# EAGLE board working (EAGLE 6.6.0), part 2 of 2
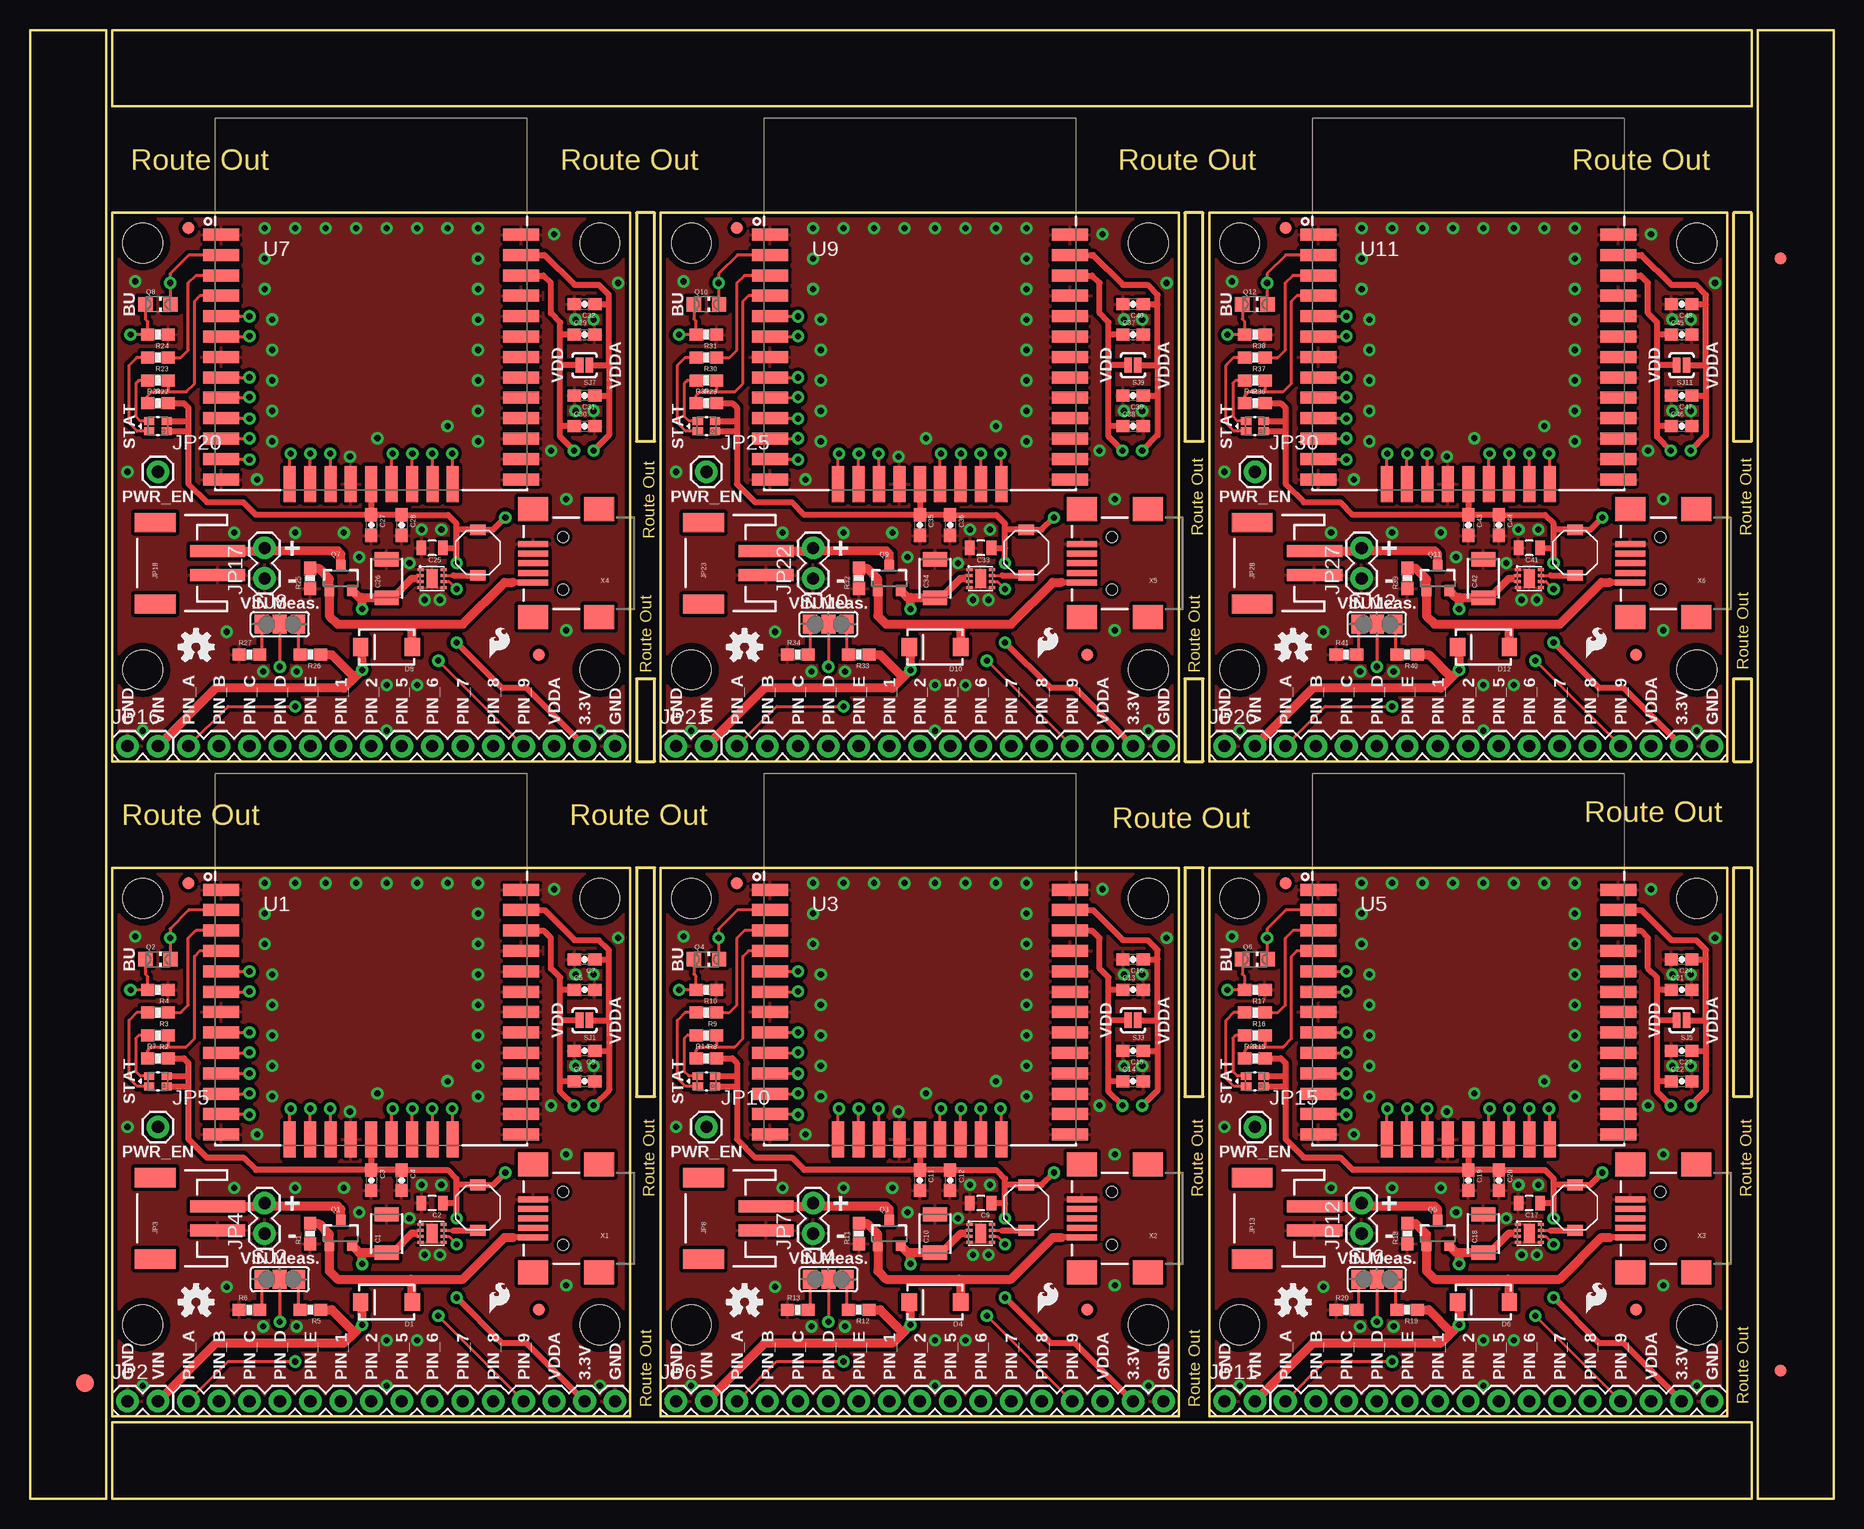
[diagram p0: board, top side]
## Tracks (layer width: path | path; a pad name or v marks a point on that pad's centre or on a via)
3.3V  (via drill 0.51)
  Top 0.254: U2.6 34.92,21.85 v35.56,21.21
  Top 0.508: 35.56,26.16 L1.P$2 38.6,26.16 v39.62,27.18 | 35.56,26.16 35.56,26.67 34.84,27.39 C4.1 C3.1 | 35.56,24.61 35.56,26.16 | v35.56,23.37 35.56,24.61 | JP1.2 41.4,12.95 39.37,12.95 v35.56,16.76 | U1.33 42.81,47.36 43.43,46.74 43.43,44.2 44.2,43.43 44.2,42.42 | 44.2,34.8 44.2,33.91 v45.34,32.77 | 44.2,34.8 44.2,39.88 | C6.1 44.2,34.8 | SJ1.2 44.2,39.88 | 13.21,35.31 13.21,36.32 12.83,36.7 R7.2 | 13.21,35.31 13.21,34.42 | 13.21,34.42 13.21,29.97 14.73,28.45 17.78,28.45 18.84,27.39 C3.1 | C2.1 35.53,24.64 35.56,24.61 | U1.18 C3.1 | D2.P$1 13.16,34.37 13.21,34.42 | D2.P$2 13.12,35.22 13.21,35.31 | 44.2,39.88 44.2,42.42 | C5.1 44.2,42.42
  Bottom 0.508: v35.56,23.37 v35.56,21.21 v35.56,16.76 | v39.62,27.18 45.21,32.77 v45.34,32.77
3.3V1  (via drill 0.51)
  Top 0.254: U4.6 80.64,21.85 v81.28,21.21
  Top 0.508: 81.28,26.16 L2.P$2 84.32,26.16 v85.34,27.18 | 81.28,26.16 81.28,26.67 80.56,27.39 C12.1 C11.1 | 81.28,24.61 81.28,26.16 | v81.28,23.37 81.28,24.61 | JP9.2 87.12,12.95 85.09,12.95 v81.28,16.76 | U3.33 88.53,47.36 89.15,46.74 89.15,44.2 89.92,43.43 89.92,42.42 | 89.92,34.8 89.92,33.91 v91.06,32.77 | 89.92,34.8 89.92,39.88 | C14.1 89.92,34.8 | SJ3.2 89.92,39.88 | 58.93,35.31 58.93,36.32 58.55,36.7 R14.2 | 58.93,35.31 58.93,34.42 | 58.93,34.42 58.93,29.97 60.45,28.45 63.5,28.45 64.56,27.39 C11.1 | C9.1 81.25,24.64 81.28,24.61 | U3.18 C11.1 | D3.P$1 58.88,34.37 58.93,34.42 | D3.P$2 58.84,35.22 58.93,35.31 | 89.92,39.88 89.92,42.42 | C13.1 89.92,42.42
  Bottom 0.508: v81.28,23.37 v81.28,21.21 v81.28,16.76 | v85.34,27.18 90.93,32.77 v91.06,32.77
3.3V2  (via drill 0.51)
  Top 0.254: U6.6 126.36,21.85 v127,21.21
  Top 0.508: 127,26.16 L3.P$2 130.04,26.16 v131.06,27.18 | 127,26.16 127,26.67 126.28,27.39 C20.1 C19.1 | 127,24.61 127,26.16 | v127,23.37 127,24.61 | JP14.2 132.84,12.95 130.81,12.95 v127,16.76 | U5.33 134.25,47.36 134.87,46.74 134.87,44.2 135.64,43.43 135.64,42.42 | 135.64,34.8 135.64,33.91 v136.78,32.77 | 135.64,34.8 135.64,39.88 | C22.1 135.64,34.8 | SJ5.2 135.64,39.88 | 104.65,35.31 104.65,36.32 104.27,36.7 R21.2 | 104.65,35.31 104.65,34.42 | 104.65,34.42 104.65,29.97 106.17,28.45 109.22,28.45 110.28,27.39 C19.1 | C17.1 126.97,24.64 127,24.61 | U5.18 C19.1 | D5.P$1 104.6,34.37 104.65,34.42 | D5.P$2 104.56,35.22 104.65,35.31 | 135.64,39.88 135.64,42.42 | C21.1 135.64,42.42
  Bottom 0.508: v127,23.37 v127,21.21 v127,16.76 | v131.06,27.18 136.65,32.77 v136.78,32.77
3.3V3  (via drill 0.51)
  Top 0.254: U8.6 34.92,76.46 v35.56,75.82
  Top 0.508: 35.56,80.77 L4.P$2 38.6,80.77 v39.62,81.79 | 35.56,80.77 35.56,81.28 34.84,82 C28.1 C27.1 | 35.56,79.22 35.56,80.77 | v35.56,77.98 35.56,79.22 | JP19.2 41.4,67.56 39.37,67.56 v35.56,71.37 | U7.33 42.81,101.97 43.43,101.35 43.43,98.81 44.2,98.04 44.2,97.03 | 44.2,89.41 44.2,88.52 v45.34,87.38 | 44.2,89.41 44.2,94.49 | C30.1 44.2,89.41 | SJ7.2 44.2,94.49 | 13.21,89.92 13.21,90.93 12.83,91.31 R28.2 | 13.21,89.92 13.21,89.03 | 13.21,89.03 13.21,84.58 14.73,83.06 17.78,83.06 18.84,82 C27.1 | C25.1 35.53,79.25 35.56,79.22 | U7.18 C27.1 | D7.P$1 13.16,88.98 13.21,89.03 | D7.P$2 13.12,89.83 13.21,89.92 | 44.2,94.49 44.2,97.03 | C29.1 44.2,97.03
  Bottom 0.508: v35.56,77.98 v35.56,75.82 v35.56,71.37 | v39.62,81.79 45.21,87.38 v45.34,87.38
3.3V4  (via drill 0.51)
  Top 0.254: U10.6 80.64,76.46 v81.28,75.82
  Top 0.508: 81.28,80.77 L5.P$2 84.32,80.77 v85.34,81.79 | 81.28,80.77 81.28,81.28 80.56,82 C36.1 C35.1 | 81.28,79.22 81.28,80.77 | v81.28,77.98 81.28,79.22 | JP24.2 87.12,67.56 85.09,67.56 v81.28,71.37 | U9.33 88.53,101.97 89.15,101.35 89.15,98.81 89.92,98.04 89.92,97.03 | 89.92,89.41 89.92,88.52 v91.06,87.38 | 89.92,89.41 89.92,94.49 | C38.1 89.92,89.41 | SJ9.2 89.92,94.49 | 58.93,89.92 58.93,90.93 58.55,91.31 R35.2 | 58.93,89.92 58.93,89.03 | 58.93,89.03 58.93,84.58 60.45,83.06 63.5,83.06 64.56,82 C35.1 | C33.1 81.25,79.25 81.28,79.22 | U9.18 C35.1 | D9.P$1 58.88,88.98 58.93,89.03 | D9.P$2 58.84,89.83 58.93,89.92 | 89.92,94.49 89.92,97.03 | C37.1 89.92,97.03
  Bottom 0.508: v81.28,77.98 v81.28,75.82 v81.28,71.37 | v85.34,81.79 90.93,87.38 v91.06,87.38
3.3V5  (via drill 0.51)
  Top 0.254: U12.6 126.36,76.46 v127,75.82
  Top 0.508: 127,80.77 L6.P$2 130.04,80.77 v131.06,81.79 | 127,80.77 127,81.28 126.28,82 C44.1 C43.1 | 127,79.22 127,80.77 | v127,77.98 127,79.22 | JP29.2 132.84,67.56 130.81,67.56 v127,71.37 | U11.33 134.25,101.97 134.87,101.35 134.87,98.81 135.64,98.04 135.64,97.03 | 135.64,89.41 135.64,88.52 v136.78,87.38 | 135.64,89.41 135.64,94.49 | C46.1 135.64,89.41 | SJ11.2 135.64,94.49 | 104.65,89.92 104.65,90.93 104.27,91.31 R42.2 | 104.65,89.92 104.65,89.03 | 104.65,89.03 104.65,84.58 106.17,83.06 109.22,83.06 110.28,82 C43.1 | C41.1 126.97,79.25 127,79.22 | U11.18 C43.1 | D11.P$1 104.6,88.98 104.65,89.03 | D11.P$2 104.56,89.83 104.65,89.92 | 135.64,94.49 135.64,97.03 | C45.1 135.64,97.03
  Bottom 0.508: v127,77.98 v127,75.82 v127,71.37 | v131.06,81.79 136.65,87.38 v136.78,87.38
GND  (via drill 0.51)
  other vias: 45.47,43.69 46.99,43.69 45.47,36.07 46.99,36.07 19.56,51.31 22.1,51.31 24.64,51.31 27.18,51.31 29.72,51.31 32.26,51.31 34.8,51.31 37.34,51.31 19.56,48.77 19.56,46.23 37.34,48.77 37.34,46.23 20.19,43.69 20.19,41.15 20.19,38.61 20.19,36.07 37.34,43.69 37.34,41.15 37.34,38.61 37.34,36.07 37.34,33.53 34.8,34.8 28.96,33.78 20.19,33.53 18.92,30.35 8.76,46.86 22.1,25.91 17.02,25.91 16.38,17.65 29.72,9.4 29.72,13.21 32.26,13.21 22.23,14.35 19.43,14.35 31.62,23.37 34.16,20.32 32.89,20.32 26.67,32.26 27.43,23.88 47.5,9.4 44.7,17.78 44.7,28.7 43.43,32.77 43.69,50.8 49.02,46.74 9.4,9.4 34.29,26.16 32.64,26.16 26.16,25.91 8.13,30.99
  pour Top (isolate 0.305): 6.86,52.58 50.04,52.58 50.04,6.86 6.86,6.86
  pour Bottom (isolate 0.305): 6.86,52.58 50.04,52.58 50.04,6.86 6.86,6.86
GND1  (via drill 0.51)
  other vias: 91.19,43.69 92.71,43.69 91.19,36.07 92.71,36.07 65.28,51.31 67.82,51.31 70.36,51.31 72.9,51.31 75.44,51.31 77.98,51.31 80.52,51.31 83.06,51.31 65.28,48.77 65.28,46.23 83.06,48.77 83.06,46.23 65.91,43.69 65.91,41.15 65.91,38.61 65.91,36.07 83.06,43.69 83.06,41.15 83.06,38.61 83.06,36.07 83.06,33.53 80.52,34.8 74.68,33.78 65.91,33.53 64.64,30.35 54.48,46.86 67.82,25.91 62.74,25.91 62.1,17.65 75.44,9.4 75.44,13.21 77.98,13.21 67.94,14.35 65.15,14.35 77.34,23.37 79.88,20.32 78.61,20.32 72.39,32.26 73.15,23.88 93.22,9.4 90.42,17.78 90.42,28.7 89.15,32.77 89.41,50.8 94.74,46.74 55.12,9.4 80.01,26.16 78.36,26.16 71.88,25.91 53.85,30.99
  pour Top (isolate 0.305): 52.58,52.58 95.76,52.58 95.76,6.86 52.58,6.86
  pour Bottom (isolate 0.305): 52.58,52.58 95.76,52.58 95.76,6.86 52.58,6.86
GND2  (via drill 0.51)
  other vias: 136.91,43.69 138.43,43.69 136.91,36.07 138.43,36.07 111,51.31 113.54,51.31 116.08,51.31 118.62,51.31 121.16,51.31 123.7,51.31 126.24,51.31 128.78,51.31 111,48.77 111,46.23 128.78,48.77 128.78,46.23 111.63,43.69 111.63,41.15 111.63,38.61 111.63,36.07 128.78,43.69 128.78,41.15 128.78,38.61 128.78,36.07 128.78,33.53 126.24,34.8 120.4,33.78 111.63,33.53 110.36,30.35 100.2,46.86 113.54,25.91 108.46,25.91 107.82,17.65 121.16,9.4 121.16,13.21 123.7,13.21 113.67,14.35 110.87,14.35 123.06,23.37 125.6,20.32 124.33,20.32 118.11,32.26 118.87,23.88 138.94,9.4 136.14,17.78 136.14,28.7 134.87,32.77 135.13,50.8 140.46,46.74 100.84,9.4 125.73,26.16 124.08,26.16 117.6,25.91 99.57,30.99
  pour Top (isolate 0.305): 98.3,52.58 141.48,52.58 141.48,6.86 98.3,6.86
  pour Bottom (isolate 0.305): 98.3,52.58 141.48,52.58 141.48,6.86 98.3,6.86
GND3  (via drill 0.51)
  other vias: 45.47,98.3 46.99,98.3 45.47,90.68 46.99,90.68 19.56,105.92 22.1,105.92 24.64,105.92 27.18,105.92 29.72,105.92 32.26,105.92 34.8,105.92 37.34,105.92 19.56,103.38 19.56,100.84 37.34,103.38 37.34,100.84 20.19,98.3 20.19,95.76 20.19,93.22 20.19,90.68 37.34,98.3 37.34,95.76 37.34,93.22 37.34,90.68 37.34,88.14 34.8,89.41 28.96,88.39 20.19,88.14 18.92,84.96 8.76,101.47 22.1,80.52 17.02,80.52 16.38,72.26 29.72,64.01 29.72,67.82 32.26,67.82 22.23,68.96 19.43,68.96 31.62,77.98 34.16,74.93 32.89,74.93 26.67,86.87 27.43,78.49 47.5,64.01 44.7,72.39 44.7,83.31 43.43,87.38 43.69,105.41 49.02,101.35 9.4,64.01 34.29,80.77 32.64,80.77 26.16,80.52 8.13,85.6
  pour Top (isolate 0.305): 6.86,107.19 50.04,107.19 50.04,61.47 6.86,61.47
  pour Bottom (isolate 0.305): 6.86,107.19 50.04,107.19 50.04,61.47 6.86,61.47
GND4  (via drill 0.51)
  other vias: 91.19,98.3 92.71,98.3 91.19,90.68 92.71,90.68 65.28,105.92 67.82,105.92 70.36,105.92 72.9,105.92 75.44,105.92 77.98,105.92 80.52,105.92 83.06,105.92 65.28,103.38 65.28,100.84 83.06,103.38 83.06,100.84 65.91,98.3 65.91,95.76 65.91,93.22 65.91,90.68 83.06,98.3 83.06,95.76 83.06,93.22 83.06,90.68 83.06,88.14 80.52,89.41 74.68,88.39 65.91,88.14 64.64,84.96 54.48,101.47 67.82,80.52 62.74,80.52 62.1,72.26 75.44,64.01 75.44,67.82 77.98,67.82 67.94,68.96 65.15,68.96 77.34,77.98 79.88,74.93 78.61,74.93 72.39,86.87 73.15,78.49 93.22,64.01 90.42,72.39 90.42,83.31 89.15,87.38 89.41,105.41 94.74,101.35 55.12,64.01 80.01,80.77 78.36,80.77 71.88,80.52 53.85,85.6
  pour Top (isolate 0.305): 52.58,107.19 95.76,107.19 95.76,61.47 52.58,61.47
  pour Bottom (isolate 0.305): 52.58,107.19 95.76,107.19 95.76,61.47 52.58,61.47
GND5  (via drill 0.51)
  other vias: 136.91,98.3 138.43,98.3 136.91,90.68 138.43,90.68 111,105.92 113.54,105.92 116.08,105.92 118.62,105.92 121.16,105.92 123.7,105.92 126.24,105.92 128.78,105.92 111,103.38 111,100.84 128.78,103.38 128.78,100.84 111.63,98.3 111.63,95.76 111.63,93.22 111.63,90.68 128.78,98.3 128.78,95.76 128.78,93.22 128.78,90.68 128.78,88.14 126.24,89.41 120.4,88.39 111.63,88.14 110.36,84.96 100.2,101.47 113.54,80.52 108.46,80.52 107.82,72.26 121.16,64.01 121.16,67.82 123.7,67.82 113.67,68.96 110.87,68.96 123.06,77.98 125.6,74.93 124.33,74.93 118.11,86.87 118.87,78.49 138.94,64.01 136.14,72.39 136.14,83.31 134.87,87.38 135.13,105.41 140.46,101.35 100.84,64.01 125.73,80.77 124.08,80.77 117.6,80.52 99.57,85.6
  pour Top (isolate 0.305): 98.3,107.19 141.48,107.19 141.48,61.47 98.3,61.47
  pour Bottom (isolate 0.305): 98.3,107.19 141.48,107.19 141.48,61.47 98.3,61.47
LED_G
  Top 0.254: U1.3 13.83,47.36 13.21,46.74 13.21,41.15 12.57,40.51 R3.1
LED_G1
  Top 0.254: U3.3 59.55,47.36 58.93,46.74 58.93,41.15 58.29,40.51 R9.1
LED_G2
  Top 0.254: U5.3 105.27,47.36 104.65,46.74 104.65,41.15 104.01,40.51 R16.1
LED_G3
  Top 0.254: U7.3 13.83,101.97 13.21,101.35 13.21,95.76 12.57,95.12 R23.1
LED_G4
  Top 0.254: U9.3 59.55,101.97 58.93,101.35 58.93,95.76 58.29,95.12 R30.1
LED_G5
  Top 0.254: U11.3 105.27,101.97 104.65,101.35 104.65,95.76 104.01,95.12 R37.1
LED_R
  Top 0.254: U1.4 14.16,45.66 13.72,45.21 13.72,38.35 13.03,37.67 11.51,37.67 | R7.1 9.82,37.35 10.13,37.67 11.51,37.67 | R2.1 11.52,37.68 11.51,37.67
LED_R1
  Top 0.254: U3.4 59.88,45.66 59.44,45.21 59.44,38.35 58.75,37.67 57.23,37.67 | R14.1 55.54,37.35 55.85,37.67 57.23,37.67 | R8.1 57.24,37.68 57.23,37.67
LED_R2
  Top 0.254: U5.4 105.6,45.66 105.16,45.21 105.16,38.35 104.47,37.67 102.95,37.67 | R21.1 101.26,37.35 101.58,37.67 102.95,37.67 | R15.1 102.96,37.68 102.95,37.67
LED_R3
  Top 0.254: U7.4 14.16,100.27 13.72,99.82 13.72,92.96 13.03,92.28 11.51,92.28 | R28.1 9.82,91.96 10.13,92.28 11.51,92.28 | R22.1 11.52,92.29 11.51,92.28
LED_R4
  Top 0.254: U9.4 59.88,100.27 59.44,99.82 59.44,92.96 58.75,92.28 57.23,92.28 | R35.1 55.54,91.96 55.85,92.28 57.23,92.28 | R29.1 57.24,92.29 57.23,92.28
LED_R5
  Top 0.254: U11.4 105.6,100.27 105.16,99.82 105.16,92.96 104.47,92.28 102.95,92.28 | R42.1 101.26,91.96 101.58,92.28 102.95,92.28 | R36.1 102.96,92.29 102.95,92.28
N$1
  Top 0.254: U2.7 35.31,22.35
  Top 0.508: 35.31,22.35 L1.P$1
N$2
  Top 0.483: X1.VBUS 40.23,21.77
  Top 0.508: 40.23,21.77
  Top 0.762: 31.75,18.29 25.65,18.29 24.96,18.98 Q1.1 24.96,22.03 24.04,22.95 R1.2 | 31.75,18.29 36.07,18.29 39.55,21.77 40.23,21.77 | D1.A 31.87,18.17 31.75,18.29
N$3
  Top 0.254: U4.7 81.03,22.35
  Top 0.508: 81.03,22.35 L2.P$1
N$4
  Top 0.254: D2.P$4 9.2,35.22 8.81,35.61 8.81,38.38 9.04,38.61 R2.2
N$5
  Top 0.254: R3.2 8.89,40.51 8.26,39.88 8.26,35.05 8.93,34.37 D2.P$3
N$6
  Top 0.254: SJ2.3 22.35,15.91 R5.2
N$7
  Top 0.254: SJ2.1 19.3,15.91 R6.2
N$8
  Top 0.254: D3.P$4 54.92,35.22 54.53,35.61 54.53,38.38 54.76,38.61 R8.2
N$9
  Top 0.254: R9.2 54.61,40.51 53.98,39.88 53.98,35.05 54.65,34.37 D3.P$3
N$10
  Top 0.483: X2.VBUS 85.95,21.77
  Top 0.508: 85.95,21.77
  Top 0.762: 77.47,18.29 71.37,18.29 70.68,18.98 Q3.1 70.68,22.03 69.76,22.95 R11.2 | 77.47,18.29 81.79,18.29 85.27,21.77 85.95,21.77 | D4.A 77.59,18.17 77.47,18.29
N$11
  Top 0.254: SJ4.3 68.07,15.91 R12.2
N$12
  Top 0.254: SJ4.1 65.02,15.91 R13.2
N$13
  Top 0.254: U6.7 126.75,22.35
  Top 0.508: 126.75,22.35 L3.P$1
N$14
  Top 0.254: D5.P$4 100.64,35.22 100.25,35.61 100.25,38.38 100.48,38.61 R15.2
N$15
  Top 0.254: R16.2 100.33,40.51 99.69,39.88 99.69,35.05 100.37,34.37 D5.P$3
N$16
  Top 0.483: X3.VBUS 131.67,21.77
  Top 0.508: 131.67,21.77
  Top 0.762: 123.19,18.29 117.09,18.29 116.4,18.98 Q5.1 116.4,22.03 115.48,22.95 R18.2 | 123.19,18.29 127.51,18.29 130.99,21.77 131.67,21.77 | D6.A 123.31,18.17 123.19,18.29
N$17
  Top 0.254: SJ6.3 113.79,15.91 R19.2
N$18
  Top 0.254: SJ6.1 110.74,15.91 R20.2
N$19
  Top 0.254: U8.7 35.31,76.96
  Top 0.508: 35.31,76.96 L4.P$1
N$20
  Top 0.254: D7.P$4 9.2,89.83 8.81,90.22 8.81,92.99 9.04,93.22 R22.2
N$21
  Top 0.254: R23.2 8.89,95.12 8.26,94.49 8.26,89.66 8.93,88.98 D7.P$3
N$22
  Top 0.483: X4.VBUS 40.23,76.38
  Top 0.508: 40.23,76.38
  Top 0.762: 31.75,72.9 25.65,72.9 24.96,73.59 Q7.1 24.96,76.64 24.04,77.56 R25.2 | 31.75,72.9 36.07,72.9 39.55,76.38 40.23,76.38 | D8.A 31.87,72.78 31.75,72.9
N$23
  Top 0.254: SJ8.3 22.35,70.52 R26.2
N$24
  Top 0.254: SJ8.1 19.3,70.52 R27.2
N$25
  Top 0.254: U10.7 81.03,76.96
  Top 0.508: 81.03,76.96 L5.P$1
N$26
  Top 0.254: D9.P$4 54.92,89.83 54.53,90.22 54.53,92.99 54.76,93.22 R29.2
N$27
  Top 0.254: R30.2 54.61,95.12 53.98,94.49 53.98,89.66 54.65,88.98 D9.P$3
N$28
  Top 0.483: X5.VBUS 85.95,76.38
  Top 0.508: 85.95,76.38
  Top 0.762: 77.47,72.9 71.37,72.9 70.68,73.59 Q9.1 70.68,76.64 69.76,77.56 R32.2 | 77.47,72.9 81.79,72.9 85.27,76.38 85.95,76.38 | D10.A 77.59,72.78 77.47,72.9
N$29
  Top 0.254: SJ10.3 68.07,70.52 R33.2
N$30
  Top 0.254: SJ10.1 65.02,70.52 R34.2
N$31
  Top 0.254: U12.7 126.75,76.96
  Top 0.508: 126.75,76.96 L6.P$1
N$32
  Top 0.254: D11.P$4 100.64,89.83 100.25,90.22 100.25,92.99 100.48,93.22 R36.2
N$33
  Top 0.254: R37.2 100.33,95.12 99.69,94.49 99.69,89.66 100.37,88.98 D11.P$3
N$34
  Top 0.483: X6.VBUS 131.67,76.38
  Top 0.508: 131.67,76.38
  Top 0.762: 123.19,72.9 117.09,72.9 116.4,73.59 Q11.1 116.4,76.64 115.48,77.56 R39.2 | 123.19,72.9 127.51,72.9 130.99,76.38 131.67,76.38 | D12.A 123.31,72.78 123.19,72.9
N$35
  Top 0.254: SJ12.3 113.79,70.52 R40.2
N$36
  Top 0.254: SJ12.1 110.74,70.52 R41.2
OPTO_BIAS  (via drill 0.51)
  Top 0.254: U1.2 13.24,49.06 11.68,47.5 v11.68,46.74 11.68,44.99 Q2.C
  Bottom 0.254: TP1.P$1 11.68,45.97 v11.68,46.74
OPTO_BIAS1  (via drill 0.51)
  Top 0.254: U3.2 58.96,49.06 57.4,47.5 v57.4,46.74 57.4,44.99 Q4.C
  Bottom 0.254: TP3.P$1 57.4,45.97 v57.4,46.74
OPTO_BIAS2  (via drill 0.51)
  Top 0.254: U5.2 104.68,49.06 103.12,47.5 v103.12,46.74 103.12,44.99 Q6.C
  Bottom 0.254: TP5.P$1 103.12,45.97 v103.12,46.74
OPTO_BIAS3  (via drill 0.51)
  Top 0.254: U7.2 13.24,103.67 11.68,102.11 v11.68,101.35 11.68,99.6 Q8.C
  Bottom 0.254: TP7.P$1 11.68,100.58 v11.68,101.35
OPTO_BIAS4  (via drill 0.51)
  Top 0.254: U9.2 58.96,103.67 57.4,102.11 v57.4,101.35 57.4,99.6 Q10.C
  Bottom 0.254: TP9.P$1 57.4,100.58 v57.4,101.35
OPTO_BIAS5  (via drill 0.51)
  Top 0.254: U11.2 104.68,103.67 103.12,102.11 v103.12,101.35 103.12,99.6 Q12.C
  Bottom 0.254: TP11.P$1 103.12,100.58 v103.12,101.35
OPTO_IN  (via drill 0.51)
  Top 0.254: Q2.E 9.62,43.72 9.82,43.52 R4.2 v8.38,42.42 | U1.6 18.25,42.26 v18.29,42.29
  Bottom 0.254: v8.38,42.42 TP2.P$1 17.02,42.42 17.14,42.29 v18.29,42.29
OPTO_IN1  (via drill 0.51)
  Top 0.254: Q4.E 55.34,43.72 55.54,43.52 R10.2 v54.1,42.42 | U3.6 63.98,42.26 v64.01,42.29
  Bottom 0.254: v54.1,42.42 TP4.P$1 62.74,42.42 62.87,42.29 v64.01,42.29
OPTO_IN2  (via drill 0.51)
  Top 0.254: Q6.E 101.06,43.72 101.26,43.52 R17.2 v99.82,42.42 | U5.6 109.69,42.26 v109.73,42.29
  Bottom 0.254: v99.82,42.42 TP6.P$1 108.46,42.42 108.58,42.29 v109.73,42.29
OPTO_IN3  (via drill 0.51)
  Top 0.254: Q8.E 9.62,98.33 9.82,98.13 R24.2 v8.38,97.03 | U7.6 18.25,96.87 v18.29,96.9
  Bottom 0.254: v8.38,97.03 TP8.P$1 17.02,97.03 17.14,96.9 v18.29,96.9
OPTO_IN4  (via drill 0.51)
  Top 0.254: Q10.E 55.34,98.33 55.54,98.13 R31.2 v54.1,97.03 | U9.6 63.98,96.87 v64.01,96.9
  Bottom 0.254: v54.1,97.03 TP10.P$1 62.74,97.03 62.87,96.9 v64.01,96.9
OPTO_IN5  (via drill 0.51)
  Top 0.254: Q12.E 101.06,98.33 101.26,98.13 R38.2 v99.82,97.03 | U11.6 109.69,96.87 v109.73,96.9
  Bottom 0.254: v99.82,97.03 TP12.P$1 108.46,97.03 108.58,96.9 v109.73,96.9
PIN_1  (via drill 0.51)
  Top 0.254: U1.15 23.35,32.49 v23.37,32.51
  Bottom 0.254: JP1.10 23.37,10.67 v23.37,32.51
PIN_2  (via drill 0.51)
  Top 0.254: U1.16 25.05,32.48 v25.02,32.51
  Bottom 0.254: JP1.9 25.02,11.56 v25.02,32.51
PIN_3  (via drill 0.51)
  Top 0.254: U3.15 69.07,32.49 v69.09,32.51
  Bottom 0.254: JP9.10 69.09,10.67 v69.09,32.51
PIN_4  (via drill 0.51)
  Top 0.254: U3.16 70.77,32.48 v70.74,32.51
  Bottom 0.254: JP9.9 70.74,11.56 v70.74,32.51
PIN_5  (via drill 0.51)
  Top 0.254: U1.19 30.15,32.43 v30.23,32.51
  Bottom 0.254: JP1.8 37.08,14.22 37.08,25.65 v30.23,32.51
PIN_6  (via drill 0.51)
  Top 0.254: U1.20 31.85,32.48 v31.88,32.51
  Bottom 0.254: JP1.7 37.59,12.19 37.59,26.8 v31.88,32.51
PIN_7  (via drill 0.51)
  Top 0.254: U1.21 33.55,32.49 v33.53,32.51
  Bottom 0.254: JP1.6 38.1,10.16 38.1,27.94 v33.53,32.51
PIN_8  (via drill 0.51)
  Top 0.254: U1.22 35.25,32.44 v35.18,32.51
  Bottom 0.254: JP1.5 38.61,29.08 v35.18,32.51
PIN_9  (via drill 0.51)
  Top 0.254: JP1.4 v34.04,15.24 | U1.14 21.65,32.44 v21.72,32.51
  Bottom 0.254: v21.72,32.51 22.73,33.53 27.18,33.53 29.72,30.99 29.72,19.56 v34.04,15.24
PIN_10  (via drill 0.51)
  Top 0.254: U3.19 75.87,32.43 v75.95,32.51
  Bottom 0.254: JP9.8 82.8,14.22 82.8,25.65 v75.95,32.51
PIN_11  (via drill 0.51)
  Top 0.254: U3.20 77.57,32.48 v77.6,32.51
  Bottom 0.254: JP9.7 83.31,12.19 83.31,26.8 v77.6,32.51
PIN_12  (via drill 0.51)
  Top 0.254: U3.21 79.27,32.49 v79.25,32.51
  Bottom 0.254: JP9.6 83.82,10.16 83.82,27.94 v79.25,32.51
PIN_13  (via drill 0.51)
  Top 0.254: U3.22 80.97,32.44 v80.9,32.51
  Bottom 0.254: JP9.5 84.33,29.08 v80.9,32.51
PIN_14  (via drill 0.51)
  Top 0.254: JP9.4 v79.76,15.24 | U3.14 67.37,32.44 v67.44,32.51
  Bottom 0.254: v67.44,32.51 68.45,33.53 72.9,33.53 75.44,30.99 75.44,19.56 v79.76,15.24
PIN_15  (via drill 0.51)
  Top 0.254: U5.15 114.79,32.49 v114.81,32.51
  Bottom 0.254: JP14.10 114.81,10.67 v114.81,32.51
PIN_16  (via drill 0.51)
  Top 0.254: U5.16 116.49,32.48 v116.46,32.51
  Bottom 0.254: JP14.9 116.46,11.56 v116.46,32.51
PIN_17  (via drill 0.51)
  Top 0.254: U5.19 121.59,32.43 v121.67,32.51
  Bottom 0.254: JP14.8 128.52,14.22 128.52,25.65 v121.67,32.51
PIN_18  (via drill 0.51)
  Top 0.254: U5.20 123.29,32.48 v123.32,32.51
  Bottom 0.254: JP14.7 129.03,12.19 129.03,26.8 v123.32,32.51
PIN_19  (via drill 0.51)
  Top 0.254: U5.21 124.99,32.49 v124.97,32.51
  Bottom 0.254: JP14.6 129.54,10.16 129.54,27.94 v124.97,32.51
PIN_20  (via drill 0.51)
  Top 0.254: U5.22 126.69,32.44 v126.62,32.51
  Bottom 0.254: JP14.5 130.05,29.08 v126.62,32.51
PIN_21  (via drill 0.51)
  Top 0.254: JP14.4 v125.48,15.24 | U5.14 113.09,32.44 v113.16,32.51
  Bottom 0.254: v113.16,32.51 114.17,33.53 118.62,33.53 121.16,30.99 121.16,19.56 v125.48,15.24
PIN_22  (via drill 0.51)
  Top 0.254: U7.15 23.35,87.1 v23.37,87.12
  Bottom 0.254: JP19.10 23.37,65.28 v23.37,87.12
PIN_23  (via drill 0.51)
  Top 0.254: U7.16 25.05,87.09 v25.02,87.12
  Bottom 0.254: JP19.9 25.02,66.17 v25.02,87.12
PIN_24  (via drill 0.51)
  Top 0.254: U7.19 30.15,87.04 v30.23,87.12
  Bottom 0.254: JP19.8 37.08,68.83 37.08,80.26 v30.23,87.12
PIN_25  (via drill 0.51)
  Top 0.254: U7.20 31.85,87.09 v31.88,87.12
  Bottom 0.254: JP19.7 37.59,66.8 37.59,81.41 v31.88,87.12
PIN_26  (via drill 0.51)
  Top 0.254: U7.21 33.55,87.1 v33.53,87.12
  Bottom 0.254: JP19.6 38.1,64.77 38.1,82.55 v33.53,87.12
PIN_27  (via drill 0.51)
  Top 0.254: U7.22 35.25,87.05 v35.18,87.12
  Bottom 0.254: JP19.5 38.61,83.69 v35.18,87.12
PIN_28  (via drill 0.51)
  Top 0.254: JP19.4 v34.04,69.85 | U7.14 21.65,87.05 v21.72,87.12
  Bottom 0.254: v21.72,87.12 22.73,88.14 27.18,88.14 29.72,85.6 29.72,74.17 v34.04,69.85
PIN_29  (via drill 0.51)
  Top 0.254: U9.15 69.07,87.1 v69.09,87.12
  Bottom 0.254: JP24.10 69.09,65.28 v69.09,87.12
PIN_30  (via drill 0.51)
  Top 0.254: U9.16 70.77,87.09 v70.74,87.12
  Bottom 0.254: JP24.9 70.74,66.17 v70.74,87.12
PIN_31  (via drill 0.51)
  Top 0.254: U9.19 75.87,87.04 v75.95,87.12
  Bottom 0.254: JP24.8 82.8,68.83 82.8,80.26 v75.95,87.12
PIN_32  (via drill 0.51)
  Top 0.254: U9.20 77.57,87.09 v77.6,87.12
  Bottom 0.254: JP24.7 83.31,66.8 83.31,81.41 v77.6,87.12
PIN_33  (via drill 0.51)
  Top 0.254: U9.21 79.27,87.1 v79.25,87.12
  Bottom 0.254: JP24.6 83.82,64.77 83.82,82.55 v79.25,87.12
PIN_34  (via drill 0.51)
  Top 0.254: U9.22 80.97,87.05 v80.9,87.12
  Bottom 0.254: JP24.5 84.33,83.69 v80.9,87.12
PIN_35  (via drill 0.51)
  Top 0.254: JP24.4 v79.76,69.85 | U9.14 67.37,87.05 v67.44,87.12
  Bottom 0.254: v67.44,87.12 68.45,88.14 72.9,88.14 75.44,85.6 75.44,74.17 v79.76,69.85
PIN_36  (via drill 0.51)
  Top 0.254: U11.15 114.79,87.1 v114.81,87.12
  Bottom 0.254: JP29.10 114.81,65.28 v114.81,87.12
PIN_37  (via drill 0.51)
  Top 0.254: U11.16 116.49,87.09 v116.46,87.12
  Bottom 0.254: JP29.9 116.46,66.17 v116.46,87.12
PIN_38  (via drill 0.51)
  Top 0.254: U11.19 121.59,87.04 v121.67,87.12
  Bottom 0.254: JP29.8 128.52,68.83 128.52,80.26 v121.67,87.12
PIN_39  (via drill 0.51)
  Top 0.254: U11.20 123.29,87.09 v123.32,87.12
  Bottom 0.254: JP29.7 129.03,66.8 129.03,81.41 v123.32,87.12
PIN_40  (via drill 0.51)
  Top 0.254: U11.21 124.99,87.1 v124.97,87.12
  Bottom 0.254: JP29.6 129.54,64.77 129.54,82.55 v124.97,87.12
PIN_41  (via drill 0.51)
  Top 0.254: U11.22 126.69,87.05 v126.62,87.12
  Bottom 0.254: JP29.5 130.05,83.69 v126.62,87.12
PIN_42  (via drill 0.51)
  Top 0.254: JP29.4 v125.48,69.85 | U11.14 113.09,87.05 v113.16,87.12
  Bottom 0.254: v113.16,87.12 114.17,88.14 118.62,88.14 121.16,85.6 121.16,74.17 v125.48,69.85
PIN_A  (via drill 0.51)
  Top 0.254: JP1.15 16.51,11.43 v22.1,11.43 | SJ2.2 v20.83,14.73 | U1.8 v18.28,38.86 v18.29,38.86
  Bottom 0.254: JP1.15 12.45,8.89 12.45,33.02 v18.29,38.86 | v22.1,11.43 20.83,12.7 v20.83,14.73
PIN_A1  (via drill 0.51)
  Top 0.254: JP9.15 62.23,11.43 v67.82,11.43 | SJ4.2 v66.55,14.73 | U3.8 v64,38.86 v64.01,38.86
  Bottom 0.254: JP9.15 58.17,8.89 58.17,33.02 v64.01,38.86 | v67.82,11.43 66.55,12.7 v66.55,14.73
PIN_A2  (via drill 0.51)
  Top 0.254: JP14.15 107.95,11.43 v113.54,11.43 | SJ6.2 v112.27,14.73 | U5.8 v109.72,38.86 v109.73,38.86
  Bottom 0.254: JP14.15 103.89,8.89 103.89,33.02 v109.73,38.86 | v113.54,11.43 112.27,12.7 v112.27,14.73
PIN_A3  (via drill 0.51)
  Top 0.254: JP19.15 16.51,66.04 v22.1,66.04 | SJ8.2 v20.83,69.34 | U7.8 v18.28,93.47 v18.29,93.47
  Bottom 0.254: JP19.15 12.45,63.5 12.45,87.63 v18.29,93.47 | v22.1,66.04 20.83,67.31 v20.83,69.34
PIN_A4  (via drill 0.51)
  Top 0.254: JP24.15 62.23,66.04 v67.82,66.04 | SJ10.2 v66.55,69.34 | U9.8 v64,93.47 v64.01,93.47
  Bottom 0.254: JP24.15 58.17,63.5 58.17,87.63 v64.01,93.47 | v67.82,66.04 66.55,67.31 v66.55,69.34
PIN_A5  (via drill 0.51)
  Top 0.254: JP29.15 107.95,66.04 v113.54,66.04 | SJ12.2 v112.27,69.34 | U11.8 v109.72,93.47 v109.73,93.47
  Bottom 0.254: JP29.15 103.89,63.5 103.89,87.63 v109.73,93.47 | v113.54,66.04 112.27,67.31 v112.27,69.34
PIN_B  (via drill 0.51)
  Top 0.254: U1.9 18.23,37.16 v18.29,37.21
  Bottom 0.254: JP1.14 12.95,10.92 12.95,31.88 v18.29,37.21
PIN_B1  (via drill 0.51)
  Top 0.254: U3.9 63.95,37.16 v64.01,37.21
  Bottom 0.254: JP9.14 58.67,10.92 58.67,31.88 v64.01,37.21
PIN_B2  (via drill 0.51)
  Top 0.254: U5.9 109.67,37.16 v109.73,37.21
  Bottom 0.254: JP14.14 104.39,10.92 104.39,31.88 v109.73,37.21
PIN_B3  (via drill 0.51)
  Top 0.254: U7.9 18.23,91.77 v18.29,91.82
  Bottom 0.254: JP19.14 12.95,65.53 12.95,86.49 v18.29,91.82
PIN_B4  (via drill 0.51)
  Top 0.254: U9.9 63.95,91.77 v64.01,91.82
  Bottom 0.254: JP24.14 58.67,65.53 58.67,86.49 v64.01,91.82
PIN_B5  (via drill 0.51)
  Top 0.254: U11.9 109.67,91.77 v109.73,91.82
  Bottom 0.254: JP29.14 104.39,65.53 104.39,86.49 v109.73,91.82
PIN_C  (via drill 0.51)
  Top 0.254: U1.10 18.26,35.46 v18.29,35.43
  Bottom 0.254: JP1.13 13.46,12.95 13.46,30.61 v18.29,35.43
PIN_C1  (via drill 0.51)
  Top 0.254: U3.10 63.98,35.46 v64.01,35.43
  Bottom 0.254: JP9.13 59.18,12.95 59.18,30.61 v64.01,35.43
PIN_C2  (via drill 0.51)
  Top 0.254: U5.10 109.7,35.46 v109.73,35.43
  Bottom 0.254: JP14.13 104.9,12.95 104.9,30.61 v109.73,35.43
PIN_C3  (via drill 0.51)
  Top 0.254: U7.10 18.26,90.07 v18.29,90.04
  Bottom 0.254: JP19.13 13.46,67.56 13.46,85.22 v18.29,90.04
PIN_C4  (via drill 0.51)
  Top 0.254: U9.10 63.98,90.07 v64.01,90.04
  Bottom 0.254: JP24.13 59.18,67.56 59.18,85.22 v64.01,90.04
PIN_C5  (via drill 0.51)
  Top 0.254: U11.10 109.7,90.07 v109.73,90.04
  Bottom 0.254: JP29.13 104.9,67.56 104.9,85.22 v109.73,90.04
PIN_D  (via drill 0.51)
  Top 0.254: U1.11 18.26,33.76 v18.29,33.78
  Bottom 0.254: JP1.12 13.97,14.99 13.97,29.46 v18.29,33.78
PIN_D1  (via drill 0.51)
  Top 0.254: U3.11 63.98,33.76 v64.01,33.78
  Bottom 0.254: JP9.12 59.69,14.99 59.69,29.46 v64.01,33.78
PIN_D2  (via drill 0.51)
  Top 0.254: U5.11 109.7,33.76 v109.73,33.78
  Bottom 0.254: JP14.12 105.41,14.99 105.41,29.46 v109.73,33.78
PIN_D3  (via drill 0.51)
  Top 0.254: U7.11 18.26,88.37 v18.29,88.39
  Bottom 0.254: JP19.12 13.97,69.6 13.97,84.07 v18.29,88.39
PIN_D4  (via drill 0.51)
  Top 0.254: U9.11 63.98,88.37 v64.01,88.39
  Bottom 0.254: JP24.12 59.69,69.6 59.69,84.07 v64.01,88.39
PIN_D5  (via drill 0.51)
  Top 0.254: U11.11 109.7,88.37 v109.73,88.39
  Bottom 0.254: JP29.12 105.41,69.6 105.41,84.07 v109.73,88.39
PIN_E  (via drill 0.51)
  Top 0.254: U1.12 18.23,32.06 v18.29,32
  Bottom 0.254: JP1.11 14.48,17.02 14.48,28.19 v18.29,32
PIN_E1  (via drill 0.51)
  Top 0.254: U3.12 63.95,32.06 v64.01,32
  Bottom 0.254: JP9.11 60.2,17.02 60.2,28.19 v64.01,32
PIN_E2  (via drill 0.51)
  Top 0.254: U5.12 109.67,32.06 v109.73,32
  Bottom 0.254: JP14.11 105.92,17.02 105.92,28.19 v109.73,32
PIN_E3  (via drill 0.51)
  Top 0.254: U7.12 18.23,86.67 v18.29,86.61
  Bottom 0.254: JP19.11 14.48,71.63 14.48,82.8 v18.29,86.61
PIN_E4  (via drill 0.51)
  Top 0.254: U9.12 63.95,86.67 v64.01,86.61
  Bottom 0.254: JP24.11 60.2,71.63 60.2,82.8 v64.01,86.61
PIN_E5  (via drill 0.51)
  Top 0.254: U11.12 109.67,86.67 v109.73,86.61
  Bottom 0.254: JP29.11 105.92,71.63 105.92,82.8 v109.73,86.61
POWER_EN  (via drill 0.51)
  Top 0.254: U1.5 18.27,43.96 v18.29,43.94
  Bottom 0.254: v18.29,43.94 19.3,42.93 19.3,41.66 10.67,33.02 JP5.1
POWER_EN1  (via drill 0.51)
  Top 0.254: U3.5 63.99,43.96 v64.01,43.94
  Bottom 0.254: v64.01,43.94 65.02,42.93 65.02,41.66 56.39,33.02 JP10.1
POWER_EN2  (via drill 0.51)
  Top 0.254: U5.5 109.71,43.96 v109.73,43.94
  Bottom 0.254: v109.73,43.94 110.74,42.93 110.74,41.66 102.11,33.02 JP15.1
POWER_EN3  (via drill 0.51)
  Top 0.254: U7.5 18.27,98.57 v18.29,98.55
  Bottom 0.254: v18.29,98.55 19.3,97.54 19.3,96.27 10.67,87.63 JP20.1
POWER_EN4  (via drill 0.51)
  Top 0.254: U9.5 63.99,98.57 v64.01,98.55
  Bottom 0.254: v64.01,98.55 65.02,97.54 65.02,96.27 56.39,87.63 JP25.1
POWER_EN5  (via drill 0.51)
  Top 0.254: U11.5 109.71,98.57 v109.73,98.55
  Bottom 0.254: v109.73,98.55 110.74,97.54 110.74,96.27 102.11,87.63 JP30.1
VBAT
  Top 0.762: Q1.3 25.91,24.13 25.65,24.38 19.81,24.38 JP4.2 19.29,24.37 JP3.2
VBAT1
  Top 0.762: Q3.3 71.63,24.13 71.37,24.38 65.53,24.38 JP7.2 65.01,24.37 JP8.2
VBAT2
  Top 0.762: Q5.3 117.35,24.13 117.09,24.38 111.25,24.38 JP12.2 110.73,24.37 JP13.2
VBAT3
  Top 0.762: Q7.3 25.91,78.74 25.65,78.99 19.81,78.99 JP17.2 19.29,78.98 JP18.2
VBAT4
  Top 0.762: Q9.3 71.63,78.74 71.37,78.99 65.53,78.99 JP22.2 65.01,78.98 JP23.2
VBAT5
  Top 0.762: Q11.3 117.35,78.74 117.09,78.99 111.25,78.99 JP27.2 110.73,78.98 JP28.2
VDDA  (via drill 0.51)
  Top 0.508: U1.34 42.89,49.06 45.38,46.57 47.41,46.57 48.26,45.72 48.26,44.96 | 48.26,39.88 48.26,37.34 | 48.26,37.34 48.26,34.04 v46.99,32.77 | C8.1 48.26,37.34 | SJ1.1 48.26,39.88 | 48.26,39.88 48.26,44.96 | C7.1 48.26,44.96
  Bottom 0.508: JP1.3 40.39,11.43 40.39,26.16 v46.99,32.77
VDDA1  (via drill 0.51)
  Top 0.508: U3.34 88.61,49.06 91.1,46.57 93.13,46.57 93.98,45.72 93.98,44.96 | 93.98,39.88 93.98,37.34 | 93.98,37.34 93.98,34.04 v92.71,32.77 | C15.1 93.98,37.34 | SJ3.1 93.98,39.88 | 93.98,39.88 93.98,44.96 | C16.1 93.98,44.96
  Bottom 0.508: JP9.3 86.11,11.43 86.11,26.16 v92.71,32.77
VDDA2  (via drill 0.51)
  Top 0.508: U5.34 134.33,49.06 136.82,46.57 138.85,46.57 139.7,45.72 139.7,44.96 | 139.7,39.88 139.7,37.34 | 139.7,37.34 139.7,34.04 v138.43,32.77 | C23.1 139.7,37.34 | SJ5.1 139.7,39.88 | 139.7,39.88 139.7,44.96 | C24.1 139.7,44.96
  Bottom 0.508: JP14.3 131.83,11.43 131.83,26.16 v138.43,32.77
VDDA3  (via drill 0.51)
  Top 0.508: U7.34 42.89,103.67 45.38,101.18 47.41,101.18 48.26,100.33 48.26,99.57 | 48.26,94.49 48.26,91.95 | 48.26,91.95 48.26,88.65 v46.99,87.38 | C31.1 48.26,91.95 | SJ7.1 48.26,94.49 | 48.26,94.49 48.26,99.57 | C32.1 48.26,99.57
  Bottom 0.508: JP19.3 40.39,66.04 40.39,80.77 v46.99,87.38
VDDA4  (via drill 0.51)
  Top 0.508: U9.34 88.61,103.67 91.1,101.18 93.13,101.18 93.98,100.33 93.98,99.57 | 93.98,94.49 93.98,91.95 | 93.98,91.95 93.98,88.65 v92.71,87.38 | C39.1 93.98,91.95 | SJ9.1 93.98,94.49 | 93.98,94.49 93.98,99.57 | C40.1 93.98,99.57
  Bottom 0.508: JP24.3 86.11,66.04 86.11,80.77 v92.71,87.38
VDDA5  (via drill 0.51)
  Top 0.508: U11.34 134.33,103.67 136.82,101.18 138.85,101.18 139.7,100.33 139.7,99.57 | 139.7,94.49 139.7,91.95 | 139.7,91.95 139.7,88.65 v138.43,87.38 | C47.1 139.7,91.95 | SJ11.1 139.7,94.49 | 139.7,94.49 139.7,99.57 | C48.1 139.7,99.57
  Bottom 0.508: JP29.3 131.83,66.04 131.83,80.77 v138.43,87.38
VIN  (via drill 0.51)
  Top 0.254: U2.2 32.25,22.35 32,22.1 32.25,21.85 U2.3
  Top 0.635: 32,22.1 31.83,22.1 30.25,20.52 29.74,20.52 C1.1
  Top 0.762: Q1.2 27.43,20.52 27.69,20.52 | 27.69,20.52 29.69,20.52 C1.1 | v27.69,19.56 27.69,20.52 | 27.05,13.84 v27.69,14.48 27.69,16.27 D1.C | R5.1 25.15,15.75 27.05,13.84 | 27.05,13.84 26.16,12.95 15.49,12.95 JP2.2
  Bottom 0.762: v27.69,19.56 v27.69,14.48
VIN1  (via drill 0.51)
  Top 0.254: U4.2 77.97,22.35 77.72,22.1 77.97,21.85 U4.3
  Top 0.635: 77.72,22.1 77.55,22.1 75.97,20.52 75.46,20.52 C10.1
  Top 0.762: Q3.2 73.15,20.52 73.41,20.52 | 73.41,20.52 75.41,20.52 C10.1 | v73.41,19.56 73.41,20.52 | 72.77,13.84 v73.41,14.48 73.41,16.27 D4.C | R12.1 70.87,15.75 72.77,13.84 | 72.77,13.84 71.88,12.95 61.21,12.95 JP6.2
  Bottom 0.762: v73.41,19.56 v73.41,14.48
VIN2  (via drill 0.51)
  Top 0.254: U6.2 123.69,22.35 123.44,22.1 123.69,21.85 U6.3
  Top 0.635: 123.44,22.1 123.27,22.1 121.69,20.52 121.18,20.52 C18.1
  Top 0.762: Q5.2 118.87,20.52 119.13,20.52 | 119.13,20.52 121.13,20.52 C18.1 | v119.13,19.56 119.13,20.52 | 118.49,13.84 v119.13,14.48 119.13,16.27 D6.C | R19.1 116.59,15.75 118.49,13.84 | 118.49,13.84 117.6,12.95 106.93,12.95 JP11.2
  Bottom 0.762: v119.13,19.56 v119.13,14.48
VIN3  (via drill 0.51)
  Top 0.254: U8.2 32.25,76.96 32,76.71 32.25,76.46 U8.3
  Top 0.635: 32,76.71 31.83,76.71 30.25,75.13 29.74,75.13 C26.1
  Top 0.762: Q7.2 27.43,75.13 27.69,75.13 | 27.69,75.13 29.69,75.13 C26.1 | v27.69,74.17 27.69,75.13 | 27.05,68.45 v27.69,69.09 27.69,70.88 D8.C | R26.1 25.15,70.36 27.05,68.45 | 27.05,68.45 26.16,67.56 15.49,67.56 JP16.2
  Bottom 0.762: v27.69,74.17 v27.69,69.09
VIN4  (via drill 0.51)
  Top 0.254: U10.2 77.97,76.96 77.72,76.71 77.97,76.46 U10.3
  Top 0.635: 77.72,76.71 77.55,76.71 75.97,75.13 75.46,75.13 C34.1
  Top 0.762: Q9.2 73.15,75.13 73.41,75.13 | 73.41,75.13 75.41,75.13 C34.1 | v73.41,74.17 73.41,75.13 | 72.77,68.45 v73.41,69.09 73.41,70.88 D10.C | R33.1 70.87,70.36 72.77,68.45 | 72.77,68.45 71.88,67.56 61.21,67.56 JP21.2
  Bottom 0.762: v73.41,74.17 v73.41,69.09
VIN5  (via drill 0.51)
  Top 0.254: U12.2 123.69,76.96 123.44,76.71 123.69,76.46 U12.3
  Top 0.635: 123.44,76.71 123.27,76.71 121.69,75.13 121.18,75.13 C42.1
  Top 0.762: Q11.2 118.87,75.13 119.13,75.13 | 119.13,75.13 121.13,75.13 C42.1 | v119.13,74.17 119.13,75.13 | 118.49,68.45 v119.13,69.09 119.13,70.88 D12.C | R40.1 116.59,70.36 118.49,68.45 | 118.49,68.45 117.6,67.56 106.93,67.56 JP26.2
  Bottom 0.762: v119.13,74.17 v119.13,69.09

## Text on the board
Bottom: v10 | v10 | v10 | v10 | v10 | v10
Dimension: Route Out | Route Out | Route Out | Route Out | Route Out | Route Out | Route Out | Route Out | Route Out | Route Out | Route Out | Route Out | Route Out | Route Out | Route Out | Route Out | Route Out | Route Out | Route Out | Route Out
tPlace: BU | BU | BU | VDD | VDDA | VDD | VDDA | VDD | VDDA | STAT | STAT | STAT | PWR_EN | PWR_EN | PWR_EN | + | + | + | - | - | - | VIN Meas. | VIN Meas. | VIN Meas. | GND | VIN | PIN_A | PIN_B | PIN_C | PIN_D | PIN_E | PIN_1 | PIN_2 | PIN_5 | PIN_6 | PIN_7 | PIN_8 | PIN_9 | VDDA | 3.3V | GND | GND | VIN | PIN_A | PIN_B | PIN_C | PIN_D | PIN_E | PIN_1 | PIN_2 | PIN_5 | PIN_6 | PIN_7 | PIN_8 | PIN_9 | VDDA | 3.3V | GND | GND | VIN | PIN_A | PIN_B | PIN_C | PIN_D | PIN_E | PIN_1 | PIN_2 | PIN_5 | PIN_6 | PIN_7 | PIN_8 | PIN_9 | VDDA | 3.3V | GND | BU | BU | BU | VDD | VDDA | VDD | VDDA | VDD | VDDA | STAT | STAT | STAT | PWR_EN | PWR_EN | PWR_EN | + | + | + | - | - | - | VIN Meas. | VIN Meas. | VIN Meas. | GND | VIN | PIN_A | PIN_B | PIN_C | PIN_D | PIN_E | PIN_1 | PIN_2 | PIN_5 | PIN_6 | PIN_7 | PIN_8 | PIN_9 | VDDA | 3.3V | GND | GND | VIN | PIN_A | PIN_B | PIN_C | PIN_D | PIN_E | PIN_1 | PIN_2 | PIN_5 | PIN_6 | PIN_7 | PIN_8 | PIN_9 | VDDA | 3.3V | GND | GND | VIN | PIN_A | PIN_B | PIN_C | PIN_D | PIN_E | PIN_1 | PIN_2 | PIN_5 | PIN_6 | PIN_7 | PIN_8 | PIN_9 | VDDA | 3.3V | GND
bPlace: OPTO_BIAS | OPTO_BIAS | OPTO_BIAS | OPTO_IN | OPTO_IN | OPTO_IN | imp002 Breakout | imp002 Breakout | imp002 Breakout | VIN = 3.3 - 17V | VIN = 3.3 - 17V | VIN = 3.3 - 17V | GND | VIN | PIN_A | PIN_B | PIN_C | PIN_D | PIN_E | PIN_1 | PIN_2 | PIN_5 | PIN_6 | PIN_7 | PIN_8 | PIN_9 | VDDA | 3.3V | GND | GND | VIN | PIN_A | PIN_B | PIN_C | PIN_D | PIN_E | PIN_1 | PIN_2 | PIN_5 | PIN_6 | PIN_7 | PIN_8 | PIN_9 | VDDA | 3.3V | GND | GND | VIN | PIN_A | PIN_B | PIN_C | PIN_D | PIN_E | PIN_1 | PIN_2 | PIN_5 | PIN_6 | PIN_7 | PIN_8 | PIN_9 | VDDA | 3.3V | GND | OPTO_BIAS | OPTO_BIAS | OPTO_BIAS | OPTO_IN | OPTO_IN | OPTO_IN | imp002 Breakout | imp002 Breakout | imp002 Breakout | VIN = 3.3 - 17V | VIN = 3.3 - 17V | VIN = 3.3 - 17V | GND | VIN | PIN_A | PIN_B | PIN_C | PIN_D | PIN_E | PIN_1 | PIN_2 | PIN_5 | PIN_6 | PIN_7 | PIN_8 | PIN_9 | VDDA | 3.3V | GND | GND | VIN | PIN_A | PIN_B | PIN_C | PIN_D | PIN_E | PIN_1 | PIN_2 | PIN_5 | PIN_6 | PIN_7 | PIN_8 | PIN_9 | VDDA | 3.3V | GND | GND | VIN | PIN_A | PIN_B | PIN_C | PIN_D | PIN_E | PIN_1 | PIN_2 | PIN_5 | PIN_6 | PIN_7 | PIN_8 | PIN_9 | VDDA | 3.3V | GND